# Altium PCB Motherboard.PcbDoc (part 2 of 2)
Units mm, origin at the board's own origin, x right, y up, seen from the top; angles counter-clockwise.
Board outline 83.25 x 83.25 mm, 4 copper layers (Top Layer, Int1 (GND), Int2 (PWR), Bottom Layer), stack 1.369 mm thick; 152 components, 130 nets, 654 pads, 211 vias.
Unrouted connection lines stored in the file: 10.
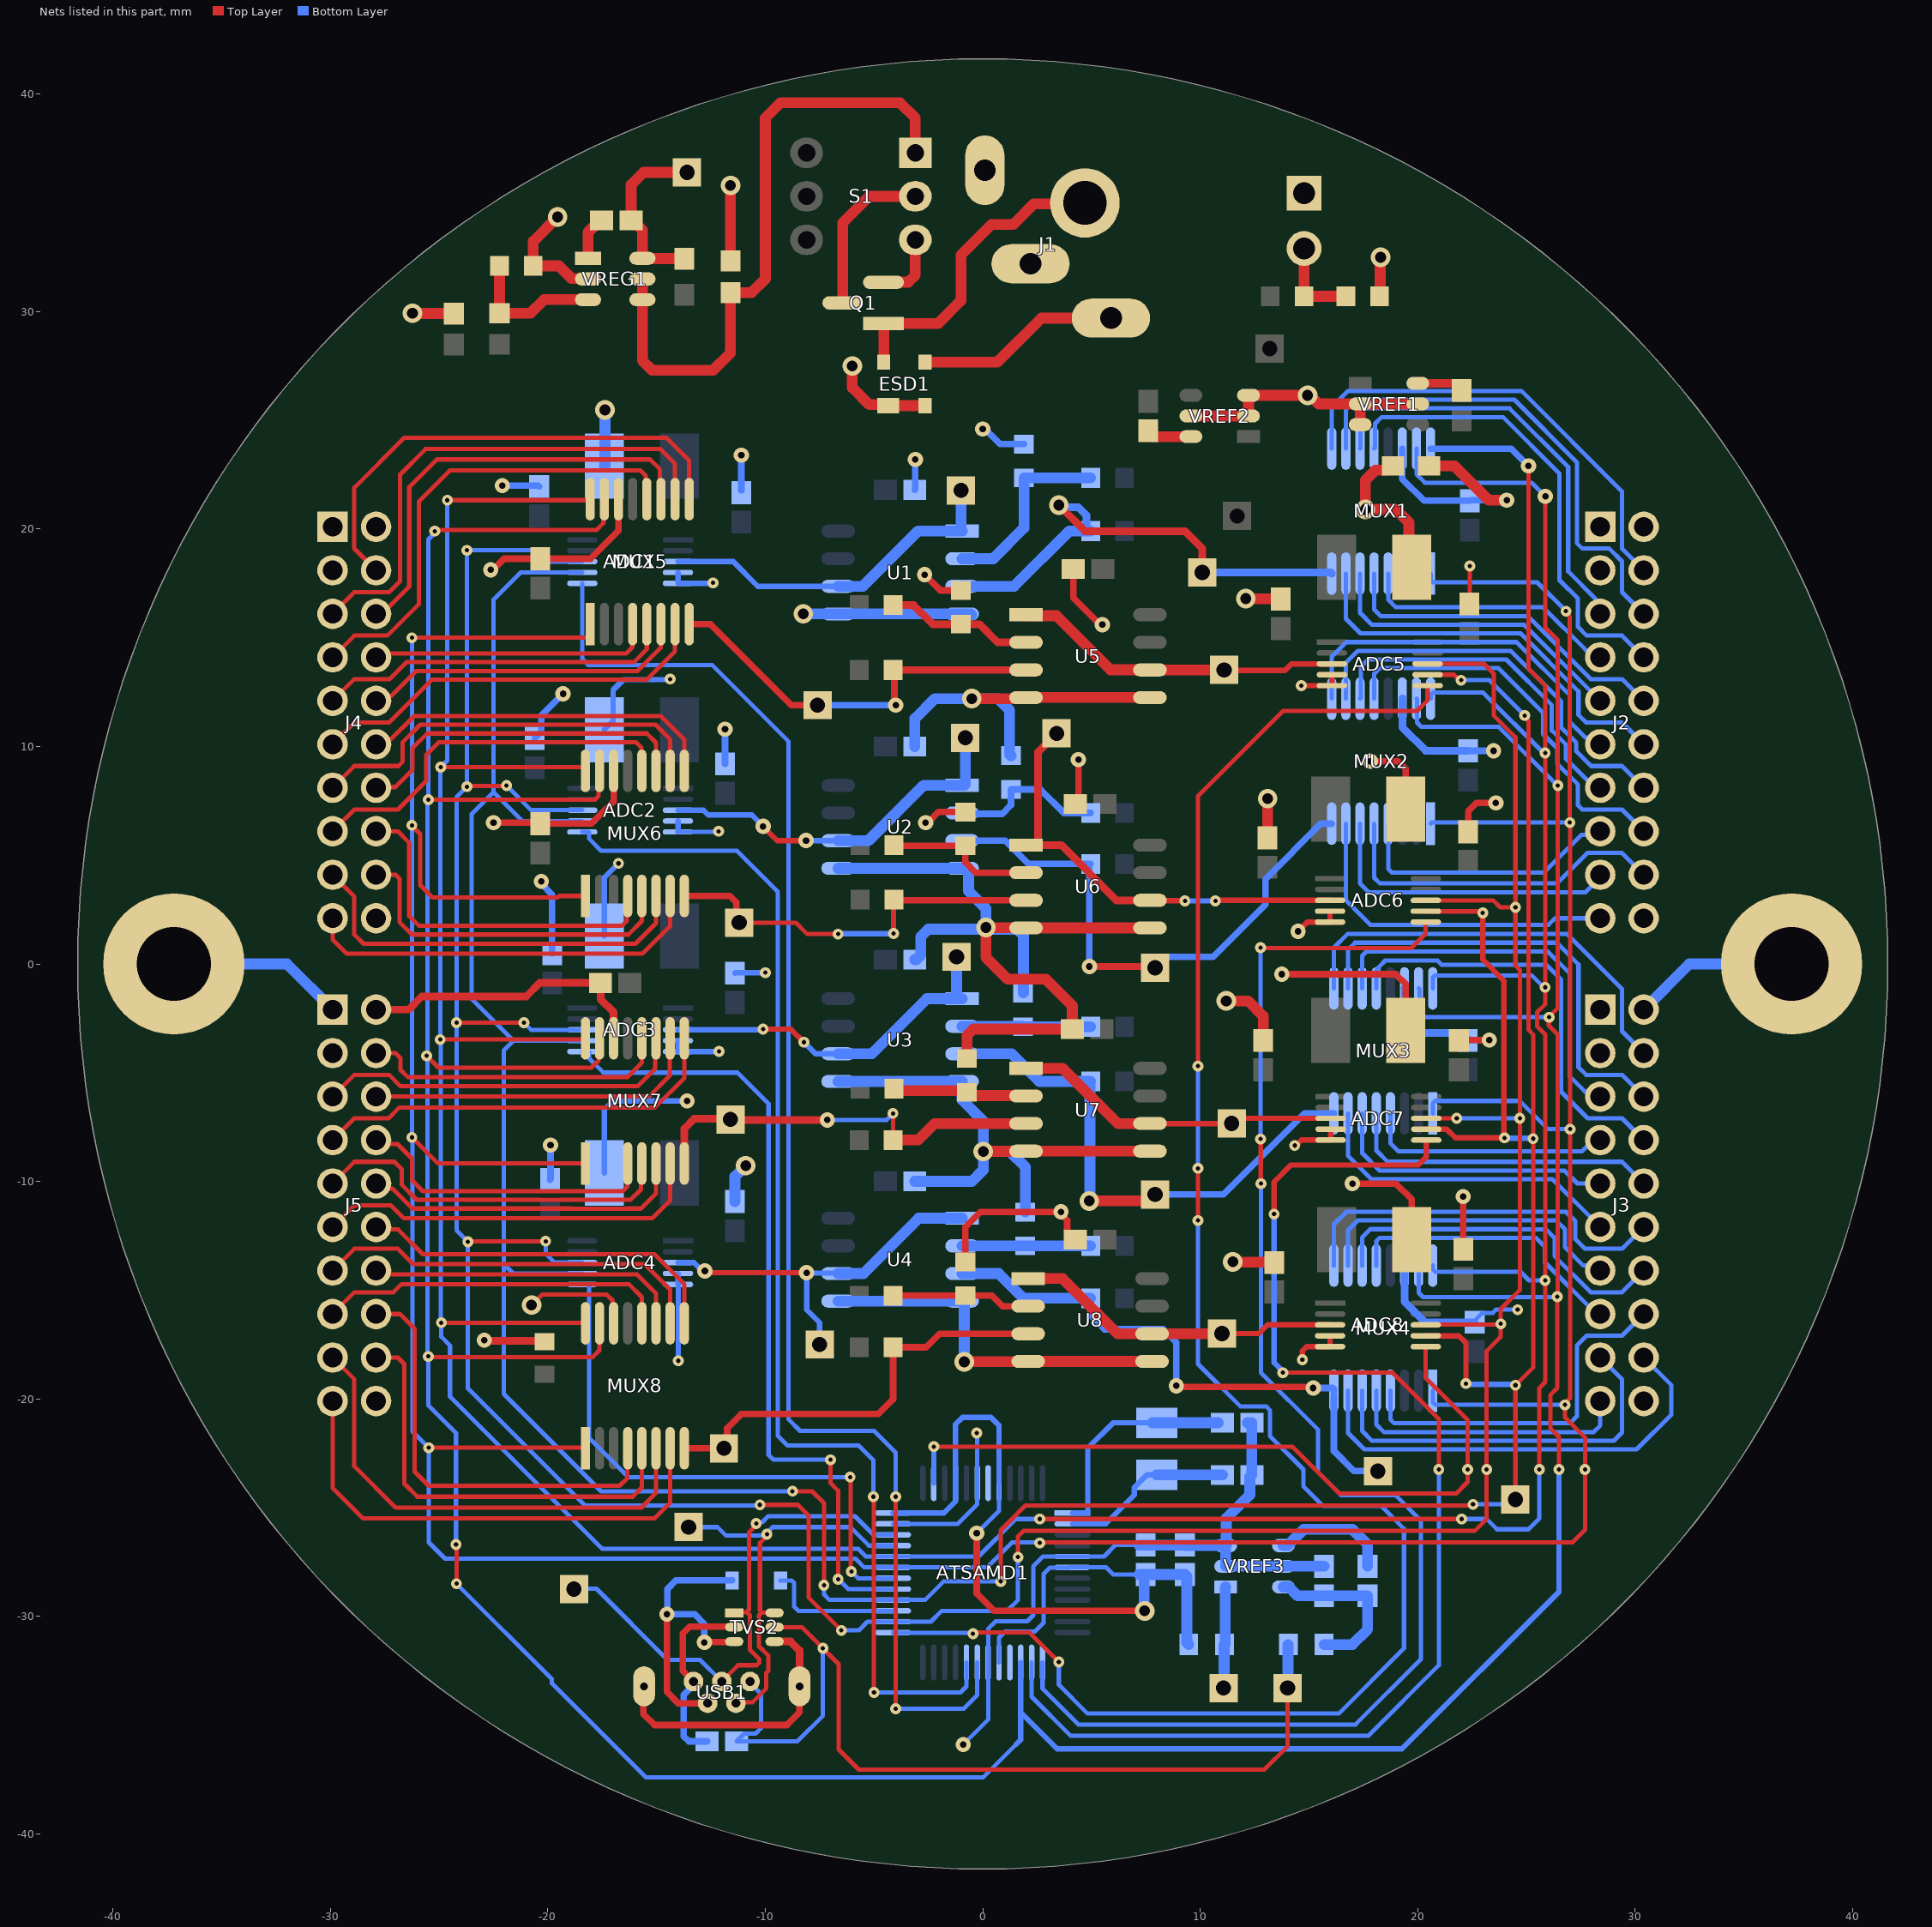
[diagram p4: the nets of this part, all layers, seen from the top]

## Via types
v1: diameter 0.5, hole 0.2, Top Layer to Bottom Layer, 107 vias
v2: diameter 0.7, hole 0.3, Top Layer to Bottom Layer, 54 vias
v3: diameter 0.9, hole 0.5, Top Layer to Bottom Layer, 50 vias

## Nets (pads, with @x,y where several pads share a name; then routed paths per layer and width w, separated by ;. In a path a pad name is that pad's centre, name@x,y a point inside that pad or via, vN(x,y) a via of type N, cw(c..) or ccw(c..) an arc to the next point about the centre after c; other vN are vias at no path point) (continued)
AGND: ADC1.4 ADC1.5 ADC2.4 ADC2.5 ADC3.4 ADC3.5 ADC4.4 ADC4.5 ADC5.4 ADC5.5 ADC6.4 ADC6.5 ADC7.4 ADC7.5 ADC8.4 ADC8.5 C8.2 C9.1 C10.2 C13.2 C14.1 C15.2 C18.2 C19.1 C20.2 C23.2 C24.1 C25.2 C28.2 C29.1 C30.2 C33.2 C34.1 C35.2 C38.1 C39.2 C40.2 C43.2 C44.1 C45.2 L2.2 R6.2 R9.2 R12.2 R15.2 R18.2 R21.2 R24.2 R27.2 U1.4 U1.5 U2.4 U2.5 U3.4 U3.5 U4.4 U4.5 U5.4 U5.5 U6.4 U6.5 U7.4 U7.5 U8.4 U8.5 | length 204.4
  Top Layer w0.25: v1(14.35,-8.35) 14.418,-8.35 14.668,-8.1 ADC7.5@16,-8.1 ADC7.4@16,-7.6 ; v2(14.5,1.5) 14.925,1.925 ADC6.5@15.975,1.925 ADC6.4@15.975,2.425 ; v1(14.65,12.8) ADC5.5@16.058,12.8 ADC5.4@16.058,13.3 ; v1(14.7,-18.2) 14.7,-17.8 14.9,-17.6 ADC8.5@15.975,-17.6 ADC8.4@15.975,-17.1
  Top Layer w0.3: v2(-2.675,17.9) -1.952,17.177 R18.2@-1,17.177 ; v2(-2.625,6.5) -2.517,6.5 -2.034,6.983 R21.2@-0.8,6.983 ; R27.2@-0.8,-13.702 -0.8,-12.1 -0.1,-11.4 v2(3.6,-11.4) 3.6,-11.508 3.886,-11.794 3.886,-12.369 4.192,-12.675 C43.2@4.265,-12.675 ; C28.2@4.165,18.155 4.165,16.827 5.392,15.6 v2(5.5,15.6) ; C33.2@4.265,7.36 4.4,7.495 v2(4.4,9.4) ; v2(13.75,-0.475) 19,-0.475 19.45,-0.925 C38.1@19.45,-3.05 ; v2(17,-10.1) 19,-10.1 19.725,-10.825 C44.1@19.725,-12.675 ; v2(17.825,9.325) 19.1,9.325 19.45,8.975 C34.1@19.45,7.125
  Top Layer w0.5: v3(-0.85,-18.3) -0.84,-18.29 2.082,-18.29 U8.4@2.092,-18.28 U8.5@7.792,-18.28 ; R24.2@-0.725,-4.348 -0.725,-3.293 -0.432,-3 C39.2@4.123,-3 4.123,-1.923 2.9,-0.7 1.15,-0.7 0.15,0.3 v3(0.15,1.675) 0.16,1.665 1.982,1.665 U6.4@1.992,1.655 U6.5@7.692,1.655 ; v3(-0.5,12.2) 1.396,12.2 1.427,12.231 1.973,12.231 U5.4@1.992,12.25 U5.5@7.692,12.25 ; v3(0.025,-8.625) 0.033,-8.617 1.984,-8.617 U7.4@1.992,-8.61 U7.5@7.692,-8.61 ; v3(11.2,-1.7) 12.2,-1.7 12.9,-2.4 C40.2@12.9,-3.523 ; v3(11.5,-13.7) 11.518,-13.718 13.395,-13.718 C45.2@13.413,-13.736 ; v3(12.1,16.8) 12.112,16.788 13.688,16.788 C30.2@13.7,16.777 ; C35.2@13.1,5.8 v3(13.1,7.6) ; L2.2@18.875,22.9 18.68,22.706 18.056,22.706 17.6,22.25 v3(17.6,20.9) 19,20.9 19.6,20.3 19.6,18.36 C29.1@19.725,18.235
  Bottom Layer w0.2: ADC2.5@-14.017,6.071 -14.007,6.08 -12.17,6.08 v1(-12.15,6.1)
  Bottom Layer w0.25: C24.1@-17.4,-9.612 -17.4,-6.7 -17,-6.3 v2(-13.6,-6.3) ; C19.1@-17.4,1.288 -17.4,3.975 v1(-16.75,4.625) ; C14.1@-17.4,10.775 -17,11.175 -17,12.6 -16.525,13.075 -14.4,13.075 v1(-14.375,13.1) ; ADC4.4@-14.017,-14.235 ADC4.5@-14.017,-14.735 -14,-14.735 v1(-14,-18.25) ; ADC3.4@-14.017,-3.529 ADC3.5@-14.017,-4.029 -12.129,-4.029 v1(-12.125,-4.025) ; ADC2.5@-14.017,6.071 ADC2.4@-14.017,6.571 ; ADC1.4@-14.017,18.003 ADC1.5@-14.017,17.503 -12.422,17.503 v1(-12.4,17.525) ; C20.2@-11.4,-0.423 -11.377,-0.4 v1(-10,-0.4) ; R15.2@1.958,-11.414 1.972,-11.4 v2(3.6,-11.4)
  Bottom Layer w0.3: C15.2@-11.85,9.202 v2(-11.85,10.8) ; C10.2@-11.1,21.777 v2(-11.1,23.4) ; C8.2@-3.123,21.8 -3.1,21.823 v2(-3.1,23.2) ; v2(0,24.6) 0.1,24.6 0.797,23.903 R6.2@1.9,23.903
  Bottom Layer w0.5: C9.1@-17.4,22.888 -17.375,22.913 v3(-17.375,25.475) ; C25.2@-11.4,-10.923 -11.4,-9.775 v3(-10.9,-9.275) ; v3(-8.25,16.1) -8.247,16.098 -6.652,16.098 U1.5@-6.65,16.095 U1.4@-0.95,16.095 -0.546,16.095 U1.4@-0.5,16.049 ; U4.5@-6.65,-15.505 U4.4@-0.95,-15.505 -0.896,-15.505 -0.85,-15.551 v3(-0.85,-18.3) ; U3.5@-6.65,-5.405 U3.4@-0.95,-5.405 -0.95,-6.25 0.025,-7.225 v3(0.025,-8.625) ; U2.5@-6.65,4.401 U2.4@-0.95,4.401 -0.697,4.401 -0.651,4.355 -0.651,3.351 0.15,2.55 v3(0.15,1.675) ; C23.2@-3.123,-10 -0.5,-10 0.025,-9.475 v3(0.025,-8.625) ; C18.2@-3.123,0.2 -3.05,0.2 -2.844,0.406 -2.844,1.257 -2.503,1.598 0.073,1.598 v3(0.15,1.675) ; C13.2@-3.123,10 -3.123,11.277 -2.2,12.2 0.7,12.2 1.238,11.662 1.238,9.641 R9.2@1.3,9.578 ; R12.2@1.858,-1.337 1.875,-1.32 1.875,1.3 1.577,1.598 0.227,1.598 v3(0.15,1.675) ; R15.2@1.958,-11.414 1.958,-9.333 1.25,-8.625 v3(0.025,-8.625)
B1: J2.8 MUX2.4 | length 12.7
  Bottom Layer w0.2: MUX2.4@18.65,6.449 18.65,4.367 18.817,4.2 25.8,4.2 27.543,5.943 28.243,5.943 J2.8@28.4,6.1
B2: J2.12 MUX2.5 | length 16
  Bottom Layer w0.2: MUX2.5@18,6.449 18,3.967 18.267,3.7 26.4,3.7 27.8,5.1 29.4,5.1 J2.12@30.4,4.1
B3: J2.9 MUX2.6 | length 14.4
  Bottom Layer w0.2: MUX2.6@17.35,6.449 17.35,3.7 17.75,3.3 27.725,3.3 28.4,3.975 J2.9@28.4,4.1
B4: J2.10 MUX2.7 | length 15.8
  Bottom Layer w0.2: MUX2.7@16.7,6.449 16.7,2.925 17.825,1.8 26.021,1.8 26.321,2.1 J2.10@28.4,2.1
B5: J2.13 MUX2.12 | length 18.3
  Bottom Layer w0.2: MUX2.12@18,12.2 18,13.35 18.25,13.6 23.725,13.6 25.775,11.55 25.775,10.567 26.425,9.917 26.425,9.2 27.375,8.25 27.375,7.3 27.575,7.1 28.814,7.1 29.4,7.1 J2.13@30.4,6.1
B6: J2.7 MUX2.11 | length 16.1
  Bottom Layer w0.2: MUX2.11@17.35,12.2 17.392,12.242 17.392,13.667 17.725,14 24.075,14 26.175,11.9 26.175,10.732 26.825,10.082 26.825,9.425 28.15,8.1 J2.7@28.4,8.1
B7: J2.14 MUX2.10 | length 19.1
  Bottom Layer w0.2: MUX2.10@16.7,12.2 16.7,13.85 17.25,14.4 24.275,14.4 26.6,12.075 26.6,10.873 27.293,10.18 27.293,9.793 27.986,9.1 29.4,9.1 J2.14@30.4,8.1
B8: J2.6 MUX2.9 | length 17.2
  Bottom Layer w0.2: MUX2.9@16.05,12.2 16.05,14.125 16.725,14.8 24.55,14.8 27,12.35 27,11.125 27.705,10.42 27.756,10.42 28.075,10.1 J2.6@28.4,10.1
D0: ATSAMD1.31 MUX1.1 MUX2.1 MUX3.1 MUX4.1 MUX5.1 MUX6.1 MUX7.1 MUX8.1 | length 201.9
  Top Layer w0.2: v1(-26.25,-7.975) -25.05,-9.175 MUX7.1@-18.275,-9.175 ; v1(-26.25,6.375) -26.25,6.347 -25.875,5.972 -25.875,3.625 -25.3,3.05 -19.565,3.05 -19.49,3.125 MUX6.1@-18.275,3.125 ; v1(-26.25,15) -18.16,15 -18.05,15.11 MUX5.1@-18.05,15.623 ; v1(-25.475,-22.25) -18.3,-22.25 MUX8.1@-18.275,-22.275 ; v1(2.625,-26.625) 2.65,-26.6 27.125,-26.6 27.7,-26.025 v1(27.7,-23.25) 27.7,-21.775 26.775,-20.85 26.775,-20.208 27.018,-19.965 v1(27.018,-7.6) ; v1(26.825,16.225) 26.825,16.144 27,15.969 v1(27,6.5) ; v1@27.009,-7.591 v1@27.009,6.491
  Bottom Layer w0.2: v1(-26.25,15) v1(-26.25,6.375) v1(-26.25,-7.975) -26.225,-8 -26.225,-21.5 v1(-25.475,-22.25) -25.475,-26.6 -24.725,-27.35 -5.85,-27.35 -5.45,-27.75 ATSAMD1.31@-4.125,-27.75 0.2,-27.75 1.35,-26.6 2.6,-26.6 v1(2.625,-26.625) ; MUX2.1@20.6,6.449 20.651,6.5 v1(27,6.5) ; MUX1.1@20.6,17.949 20.6,17.66 20.71,17.55 25.5,17.55 v1(26.825,16.225) ; MUX4.1@20.7,-19.624 20.7,-20.165 20.81,-20.275 v1(26.775,-20.275) ; MUX3.1@20.7,-6.875 20.7,-6.41 20.81,-6.3 24.7,-6.3 26,-7.6 v1(27.018,-7.6)
D1: ATSAMD1.32 MUX1.16 MUX2.16 MUX3.16 MUX4.16 MUX5.16 MUX6.16 MUX7.16 MUX8.16 | length 194.6
  Top Layer w0.2: v1(-24.95,-3.475) -18.325,-3.475 MUX7.16@-18.275,-3.425 ; v1(-24.925,9.05) -18.377,9.05 -18.275,8.948 MUX6.16@-18.275,8.875 ; v1(-24.9,-16.5) -18.3,-16.5 MUX8.16@-18.275,-16.525 ; v1(-24.625,21.325) -18.099,21.325 MUX5.16@-18.05,21.374 ; v1(2.625,-25.525) v1(22.025,-25.525) ; v2(25.1,22.9) 25.1,13.575 25.864,12.811 v1(25.864,9.7) v1(25.864,-1.075) 25.864,-1.858 25.5,-2.222 25.5,-2.866 25.864,-3.23 v1(25.864,-14.55) 25.875,-14.561 25.875,-19.225 25.6,-19.5 v1(25.6,-23.25)
  Bottom Layer w0.2: v1(-24.625,21.325) -24.625,9.35 -24.937,9.038 -24.937,-3.462 v1(-24.95,-3.475) -24.925,-3.5 -24.925,-16.475 v1(-24.9,-16.5) -24.9,-17.15 -24.5,-17.55 -24.5,-19.9 -17.5,-26.9 -5.725,-26.9 -5.375,-27.25 ATSAMD1.32@-4.125,-27.25 -0.2,-27.25 1.525,-25.525 v1(2.625,-25.525) ; MUX2.16@20.6,12.2 20.6,12.373 20.702,12.475 23.016,12.475 25.791,9.7 v1(25.864,9.7) ; MUX4.16@20.7,-13.873 20.7,-14.048 20.802,-14.15 24.725,-14.15 25.125,-14.55 v1(25.864,-14.55) ; MUX3.16@20.7,-1.124 20.7,-0.627 20.802,-0.525 25.25,-0.525 25.8,-1.075 v1(25.864,-1.075) ; v1(22.025,-25.525) 23.175,-25.525 23.65,-26 25.1,-26 25.6,-25.5 v1(25.6,-23.25)
  Bottom Layer w0.3: MUX1.16@20.6,23.7 24.3,23.7 v2(25.1,22.9)
D2: ATSAMD1.15 MUX1.15 MUX2.15 MUX3.15 MUX4.15 MUX5.15 MUX6.15 MUX7.15 MUX8.15 | length 230.7
  Top Layer w0.2: v1(-25.575,-4.225) -25.025,-4.775 -18,-4.775 -17.667,-4.442 -17.667,-3.467 MUX7.15@-17.625,-3.425 ; v1(-25.5,-18.05) -25.475,-18.075 -17.933,-18.075 -17.625,-17.767 MUX8.15@-17.625,-16.525 ; v1(-25.5,7.55) -17.834,7.55 -17.667,7.717 -17.667,8.833 MUX6.15@-17.625,8.875 ; v1(-25.2,19.9) -25.15,19.95 -17.77,19.95 -17.442,20.278 -17.442,21.332 MUX5.15@-17.4,21.374 ; v1(-24.225,-26.7) -24.2,-26.725 v1(-24.2,-28.5) ; v2(25.875,21.5) 25.875,15.464 26.45,14.889 v1(26.45,8.2) 26.45,-2.022 v1@26.036,-2.436 ; v1(26.05,-2.45) 26.039,-2.461 26.039,-2.839 26.439,-3.239 v1@26.439,-15.286 ; v1(26.425,-15.3) 26.425,-19.5 26.1,-19.825 26.1,-21.35 26.5,-21.75 v1(26.5,-23.25)
  Bottom Layer w0.2: v1(-25.2,19.9) -25.2,19.819 -25.5,19.519 v1(-25.5,7.55) -25.538,7.512 -25.538,-4.187 v1(-25.575,-4.225) -25.538,-4.263 -25.538,-18.012 v1(-25.5,-18.05) -25.5,-20.3 -24.225,-21.575 v1(-24.225,-26.7) ; v1(-24.2,-28.5) -19.821,-32.879 -19.821,-33.079 -15.5,-37.4 0.025,-37.4 1.55,-35.875 ; MUX2.15@19.95,12.2 19.975,12.175 19.975,11.1 20.175,10.9 23.731,10.9 26.431,8.2 v1(26.45,8.2) ; MUX1.15@19.95,23.7 19.95,22.517 20.336,22.131 25.244,22.131 v2(25.875,21.5) ; MUX4.15@20.05,-13.873 20.05,-15.125 20.25,-15.325 26.4,-15.325 v1(26.425,-15.3) ; MUX3.15@20.05,-1.124 20.092,-1.166 20.092,-2.292 20.25,-2.45 v1(26.05,-2.45)
  Bottom Layer w0.25: 1.55,-35.875 1.75,-35.675 1.75,-34.425 ; ATSAMD1.15@1.75,-32.125 1.75,-34.425 ; v1(26.5,-23.25) 26.5,-28.875 19.275,-36.1 3.425,-36.1 1.75,-34.425
D3: ATSAMD1.16
D4: ADC1.6 ATSAMD1.19 | length 68.6
  Top Layer w0.2: v1(-4,-34.25) v1(-4,-24.5)
  Bottom Layer w0.2: ADC1.6@-18.417,17.503 -18.417,14.017 -18.15,13.75 -12.45,13.75 -8.925,10.225 -8.925,-20.95 -8.4,-21.475 -5,-21.475 -4,-22.475 v1(-4,-24.5) ; v1(-4,-34.25) -0.875,-34.25 -0.25,-33.625 ATSAMD1.19@-0.25,-32.125
D5: ADC2.6 ATSAMD1.20 | length 56.3
  Top Layer w0.2: v1(-5.025,-24.5) -5.012,-24.512 -5.012,-33.487 v1(-5,-33.5)
  Bottom Layer w0.2: ADC2.6@-18.417,6.071 -18.132,6.071 -18.109,6.048 -18.109,5.763 -17.546,5.2 -11.3,5.2 -9.425,3.325 -9.425,-21.7 -8.975,-22.15 -5.7,-22.15 -5.025,-22.825 v1(-5.025,-24.5) ; v1(-5,-33.5) -1.025,-33.5 -0.75,-33.225 ATSAMD1.20@-0.75,-32.125
D6: ADC3.6 ATSAMD1.29 | length 37.2
  Top Layer w0.2: v1(-7,-22.8) -7,-23.875 -6.65,-24.225 v1(-6.65,-28.3)
  Bottom Layer w0.2: ADC3.6@-18.417,-4.029 -18.132,-4.029 -18.109,-4.052 -18.109,-4.337 -17.446,-5 -11.275,-5 -9.85,-6.425 -9.85,-22.575 -9.625,-22.8 v1(-7,-22.8) ; v1(-6.65,-28.3) -6.631,-28.3 -6.181,-28.75 ATSAMD1.29@-4.125,-28.75
D7: ADC4.6 ATSAMD1.30 | length 26.5
  Top Layer w0.2: v1(-6.1,-23.6) -6.069,-23.631 -6.069,-27.908 v1(-6.039,-27.939)
  Bottom Layer w0.2: ADC4.6@-18.417,-14.735 -18.132,-14.735 -18.109,-14.758 -18.109,-21.791 -16.3,-23.6 v1(-6.1,-23.6) ; v1(-6.039,-27.939) -5.728,-28.25 ATSAMD1.30@-4.125,-28.25
D8: ADC5.6 ATSAMD1.25 | length 85.4
  Top Layer w0.2: v1(-0.45,-30.8) -0.4,-30.75 2.15,-30.75 v1(3.5,-32.1) ; v1(9.9,-11.8) v1(9.9,-9.4) ; v1(9.9,-4.7) 9.9,7.725 13.812,11.638 19.975,11.638 20.458,12.121 ADC5.6@20.458,12.8
  Bottom Layer w0.2: ATSAMD1.25@-4.125,-30.75 -4.115,-30.76 -0.49,-30.76 v1(-0.45,-30.8) ; v1(3.5,-32.1) 3.5,-33.15 4.825,-34.475 16.375,-34.475 19.375,-31.475 19.375,-25.975 18.325,-24.925 15.65,-24.925 14.75,-24.025 14.75,-23.25 13.206,-21.706 13.206,-20.52 13.03,-20.344 11.844,-20.344 9.9,-18.4 v1(9.9,-11.8) ; v1(9.9,-9.4) v1(9.9,-4.7)
D11: ADC6.6 ATSAMD1.13 | length 66.2
  Top Layer w0.2: v1(12.775,-8.05) 12.788,-8.062 12.788,-10.088 v1(12.8,-10.1) ; v1@12.775,0.725 19.7,0.725 20.375,1.4 ADC6.6@20.375,1.925
  Bottom Layer w0.2: ATSAMD1.13@2.75,-32.125 2.75,-33.325 4.4,-34.975 17.15,-34.975 20.15,-31.975 20.15,-25.6 18.975,-24.425 16.475,-24.425 15.425,-23.375 15.425,-21.425 12.8,-18.8 v1(12.8,-10.1) ; v1(12.775,-8.05) v1(12.775,0.75)
D12: ADC7.6 ATSAMD1.14 | length 59
  Top Layer w0.2: v1(13.8,-18.8) 18.85,-18.8 20.975,-20.925 v1(20.975,-23.25)
  Top Layer w0.25: v1(13.4,-11.5) 13.4,-10.025 14.175,-9.25 20.025,-9.25 20.4,-8.875 ADC7.6@20.4,-8.1
  Bottom Layer w0.2: ATSAMD1.14@2.25,-32.125 2.25,-33.7 4.05,-35.5 17.725,-35.5 20.975,-32.25 v1(20.975,-23.25)
  Bottom Layer w0.25: v1(13.4,-11.5) 13.4,-18.132 13.403,-18.136 13.403,-18.336 13.8,-18.732 v1(13.8,-18.8)
D13: ADC8.6 ATSAMD1.38 | length 34.4
  Top Layer w0.2: v1(-2.25,-22.2) 14.25,-22.2 16.4,-24.35 21.775,-24.35 22.3,-23.825 v1(22.3,-23.25) 22.3,-20.975 20.375,-19.05 ADC8.6@20.375,-17.6
  Bottom Layer w0.25: ATSAMD1.38@-2.25,-23.875 v1(-2.25,-22.2)
D_N: ATSAMD1.33 TP23.1 TVS2.6 USB1.2 | length 19.9
  Top Layer w0.2: USB1.2@-11.35,-34 -11.311,-33.961 -10.6,-33.961 -9.95,-33.311 -9.95,-32.595 -9.866,-32.511 -9.866,-31.795 -10.292,-31.369 -10.292,-29.957 -10.175,-29.84 -10.133,-29.84 ; v1(-9.925,-26.225) -9.925,-26.306 -10.244,-26.625 -10.244,-29.728 -10.133,-29.84 ; TVS2.6@-9.573,-29.84 -10.133,-29.84
  Bottom Layer w0.2: TP23.1@-13.525,-25.9 -12.2,-25.9 -11.82,-26.28 -9.98,-26.28 v1(-9.925,-26.225) -9.925,-26.167 -9.658,-25.9 -6.082,-25.9 -5.234,-26.748 -4.851,-26.748 -4.849,-26.75 ATSAMD1.33@-4.125,-26.75
D_P: ATSAMD1.34 TP24.1 TVS2.1 USB1.3 | length 24.8
  Top Layer w0.2: USB1.3@-12,-33 -11.25,-32.25 -10.399,-32.25 -10.282,-32.133 -10.282,-31.967 -10.708,-31.541 -10.708,-29.957 -10.825,-29.84 ; TVS2.1@-11.427,-29.84 -11.399,-29.812 -10.867,-29.812 -10.744,-29.689 -10.744,-26.135 -10.42,-25.811 v1(-10.42,-25.73)
  Bottom Layer w0.2: TP24.1@-18.8,-28.733 -17.767,-28.733 -14.5,-32 -13,-32 USB1.3@-12,-33 ; v1(-10.42,-25.73) -10.363,-25.673 -10.138,-25.673 -9.865,-25.4 -5.875,-25.4 -5.027,-26.248 -4.128,-26.248 ATSAMD1.34@-4.125,-26.25
DGND: ATSAMD1.5 ATSAMD1.18 ATSAMD1.35 ATSAMD1.42 C2.1 C4.1 C6.1 C7.2 C11.1 C12.2 C16.1 C17.2 C21.1 C22.2 C26.1 C27.2 C31.1 C32.2 C36.1 C37.2 C41.1 C42.2 C47.1 C48.2 C49.1 C50.1 C51.1 C52.1 ESD1.1 ESD1.2 J1.3 J1.S1 J2.1 J2.2 J2.11 J2.20 J3.1 J3.2 J3.11 J3.20 J4.1 J4.2 J4.11 J4.20 J5.1 J5.2 J5.11 J5.20 L2.1 LED1.1 M1.1 M2.1 MUX1.14 MUX2.14 MUX3.14 MUX4.14 MUX5.14 MUX6.14 MUX7.14 MUX8.14 Q1.2 R2.1 R3.2 S1.3 TVS2.2 USB1.5 VREF1.2 VREF1.3 VREF1.5 VREF2.2 VREF2.3 VREF2.5 VREF3.2 VREF3.3 VREF3.5 VREG1.2 | length 181.2
  Top Layer w0.2: v3(-20.75,-15.686) -20.264,-15.2 -17.3,-15.2 -17.017,-15.483 -17.017,-16.482 MUX8.14@-16.975,-16.525 ; C27.2@22.383,16.552 22.4,16.569 v1(22.4,18.3)
  Top Layer w0.3: v2(-22.625,18.125) -22.517,18.125 -22.007,18.635 C26.1@-20.35,18.635 -18.04,18.635 -16.75,19.925 MUX5.14@-16.75,21.374 ; v2(-22.5,6.5) -20.398,6.5 C31.1@-20.35,6.452 -17.998,6.452 -16.975,7.475 MUX6.14@-16.975,8.875 ; USB1.5@-13.3,-33 -13.8,-32.5 -13.8,-30.8 -13.475,-30.475 -11.683,-30.475 -11.658,-30.5 TVS2.2@-11.427,-30.5 ; C37.2@21.885,-3.523 21.908,-3.5 v2(23.3,-3.5) ; C42.2@22.1,-13.123 v2(22.1,-10.7) ; C32.2@22.325,6.077 22.325,7.025 22.7,7.4 v2(23.6,7.4)
  Top Layer w0.35: J5.20@-27.9,-2.1 -26.4,-2.1 -25.8,-1.5 -21,-1.5 -20.375,-0.875 C36.1@-17.577,-0.875 -17.577,-1.623 -16.975,-2.225 MUX7.14@-16.975,-3.425 ; v2(-22.925,-17.3) -22.888,-17.337 -20.188,-17.337 C41.1@-20.15,-17.375
  Top Layer w0.5: v3(-26.225,29.925) -26.211,29.911 -24.339,29.911 C4.1@-24.325,29.896 ; v3(-19.55,34.35) -20.672,33.228 R3.2@-20.672,32.1 -19.492,32.1 -18.911,31.519 -18.169,31.519 VREG1.2@-18.15,31.5 ; C2.1@-11.6,32.327 v3(-11.6,35.8) ; v3(-6,27.5) -6,26.5 -5.218,25.718 -4.393,25.718 ESD1.1@-4.35,25.675 ESD1.2@-2.65,25.675 ; Q1.2@-4.565,31.35 -3.424,31.35 -3.1,31.674 S1.3@-3.1,33.3 ; VREF2.5@9.575,25.2 VREF2.2@12.225,25.2 VREF2.3@12.225,26.15 v3(14.942,26.15) 15.05,26.15 15.45,25.75 VREF1.2@17.358,25.75 ; VREF1.3@17.358,24.8 VREF1.2@17.358,25.75 ; R2.1@18.253,30.7 18.277,30.723 18.277,32.477 v3(18.3,32.5) ; VREF1.5@20.008,25.75 VREF1.2@17.358,25.75 ; L2.1@20.526,22.9 21.7,22.9 23.275,21.325 v2(24.1,21.325)
  Bottom Layer w0.2: ATSAMD1.35@-4.125,-25.75 -1.15,-25.75 -0.25,-24.85 ATSAMD1.42@-0.25,-23.875 -0.26,-23.864 -0.26,-21.59 v1(-0.275,-21.575) ; v2(-0.9,-35.9) 0.25,-34.75 ATSAMD1.18@0.25,-32.125 0.25,-30.575 0.6,-30.225 2.05,-30.225 2.325,-29.95 2.325,-27.7 2.775,-27.25 ATSAMD1.5@4.125,-27.25 5.579,-27.25 6.106,-26.723 C48.2@7.2,-26.723 ; C21.1@22.625,-16.473 22.625,-16.4 22.981,-16.044 23.456,-16.044 23.6,-15.9 v1(24.6,-15.9)
  Bottom Layer w0.3: v2(-22.1,22) -20.446,22 C7.2@-20.4,21.954 ; C12.2@-20.6,10.377 -20.294,10.683 -20.294,11.431 v2(-19.3,12.425) ; v2(-20.3,3.8) -20.3,3.692 -19.8,3.192 C17.2@-19.8,0.477 ; C22.2@-19.9,-9.923 -19.875,-9.898 v2(-19.875,-8.327) ; USB1.5@-13.3,-33 -13.3,-33.162 -13.75,-33.612 -13.75,-35.525 -13.525,-35.75 C50.1@-12.677,-35.75 ; MUX1.14@19.3,23.7 19.3,22.3 20.298,21.302 C6.1@22.4,21.302 22.423,21.325 v2(24.1,21.325) ; C16.1@22.3,-3.523 22.323,-3.5 v2(23.3,-3.5) ; C11.1@22.325,9.802 22.327,9.8 v2(23.5,9.8)
  Bottom Layer w0.35: MUX2.14@19.3,12.2 19.3,10.875 20.373,9.802 C11.1@22.325,9.802 ; MUX4.14@19.4,-13.873 19.4,-15.525 20.348,-16.473 C21.1@22.625,-16.473 ; MUX3.14@19.4,-1.124 19.414,-1.138 19.414,-2.689 19.894,-3.169 22.019,-3.169 22.3,-3.45 C16.1@22.3,-3.523
  Bottom Layer w0.5: M2.1@-37.2,0 -32,0 J5.1@-29.9,-2.1 ; C48.2@7.2,-26.723 C47.1@9.3,-26.723 9.313,-26.737 11.162,-26.737 VREF3.3@11.175,-26.75 ; C51.1@12.177,-21.1 C51.1@12.189,-21.089 ; C51.1@12.377,-21.1 C52.1@12.377,-23.5 12.287,-23.59 12.287,-24.413 11.2,-25.5 11.2,-26.725 VREF3.3@11.175,-26.75 ; C49.1@15.7,-27.7 VREF3.5@13.825,-27.7 VREF3.2@11.175,-27.7 VREF3.3@11.175,-26.75 ; J3.20@30.4,-2.1 32.5,0 M1.1@37.2,0
E1: J3.13 MUX4.4 | length 17
  Bottom Layer w0.2: MUX4.4@18.75,-19.624 18.75,-20.949 18.925,-21.124 27.001,-21.124 27.325,-20.8 27.325,-17.55 27.775,-17.1 29.4,-17.1 J3.13@30.4,-16.1
E2: J3.10 MUX4.5 | length 13.2
  Bottom Layer w0.2: MUX4.5@18.1,-19.624 18.1,-21.175 18.45,-21.525 28.1,-21.525 28.4,-21.225 J3.10@28.4,-20.1
E3: J3.9 MUX4.6 | length 18
  Bottom Layer w0.2: MUX4.6@17.45,-19.624 17.45,-21.475 17.9,-21.925 29.025,-21.925 29.4,-21.55 29.4,-19.1 J3.9@28.4,-18.1
E4: J3.12 MUX4.7 | length 21
  Bottom Layer w0.2: MUX4.7@16.8,-19.624 16.8,-21.575 17.55,-22.325 30.075,-22.325 31.675,-20.725 31.675,-19.375 J3.12@30.4,-18.1
E5: J3.8 MUX4.12 | length 13.4
  Bottom Layer w0.2: MUX4.12@18.1,-13.873 18.1,-12.749 18.253,-12.595 19.147,-12.595 19.15,-12.599 19.185,-12.599 19.189,-12.595 24.222,-12.595 24.226,-12.6 25.45,-12.6 25.85,-13 25.85,-13.722 28.228,-16.1 J3.8@28.4,-16.1